# Altium PCB Evaluation Board.PcbDoc (part 12 of 22) (continued)
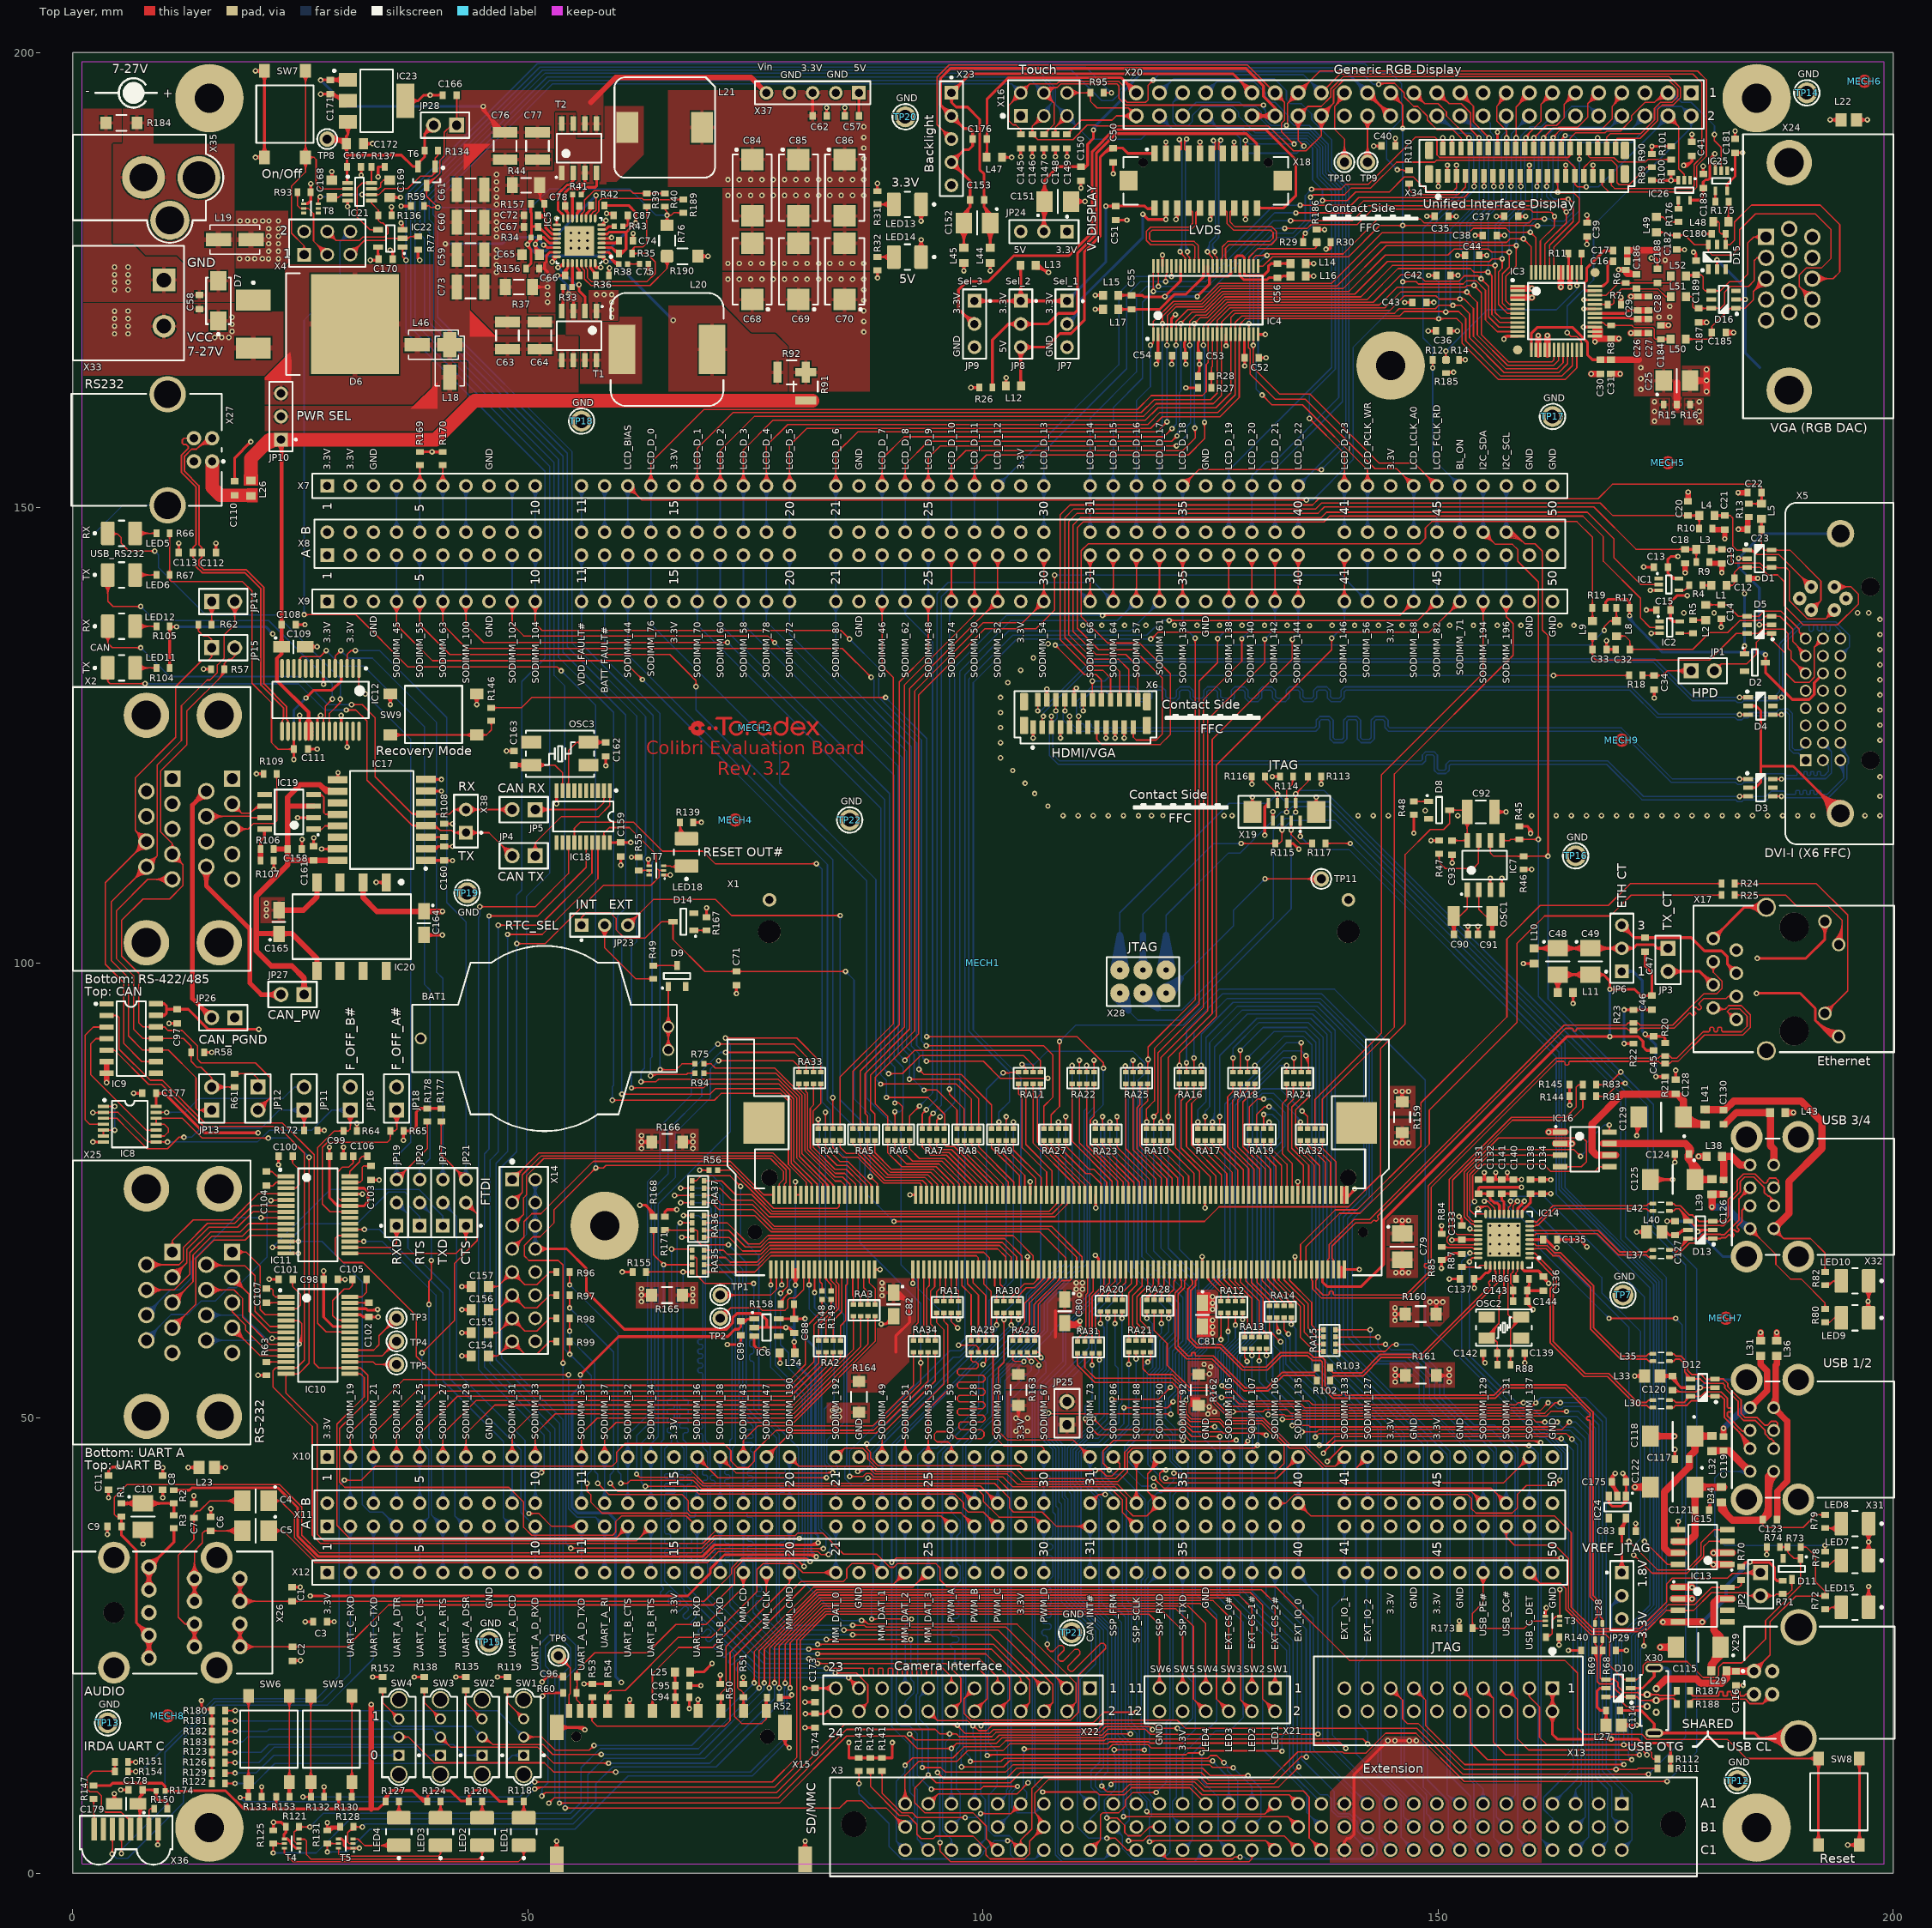
[diagram p0: Top Layer view]
## Nets (pads, with @x,y where several pads share a name; then routed paths per layer and width w, separated by ;. In a path a pad name is that pad's centre, name@x,y a point inside that pad or via, vN(x,y) a via of type N, cw(c..) or ccw(c..) an arc to the next point about the centre after c; other vN are vias at no path point) (continued)
MM_DAT_2: R52.1 X11.A24 X12.24 X15.9 | length 64.9
  Top Layer w0.15: X15.9@75.875,18.359 ccw(c75.15,19.084) 76.176,19.084 ccw(c77.202,19.084) X15.9@76.477,18.359 ; X15.9@75.982,18.252 ccw(c75.512,18.722) 76.176,18.722 ccw(c76.84,18.722) X15.9@76.37,18.252 ; X15.9@76.016,17.164 cw(c75.919,16.926) 76.176,16.926 ; R52.1@76.021,19.079 cw(c75.58,18.825) 76.071,18.693 ; 76.036,18.563 cw(c76.711,18.382) R52.1@76.362,18.987 ; R52.1@76.06,19.027 cw(c75.781,18.748) 76.176,18.748 ; R52.1@76.112,18.987 cw(c75.964,18.731) 76.25,18.808 ; X15.9@76.176,18.453 cw(c76.988,18.453) R52.1@76.414,19.027 ; 76.176,18.815 cw(c76.626,18.815) R52.1@76.308,19.133 ; R52.1@76.237,19.558 R52.1@76.237,19.304 76.176,19.243 76.176,16.926 ; 76.273,18.722 cw(c76.517,18.787) R52.1@76.376,18.996 ; X15.9@76.336,17.164 ccw(c76.433,16.926) 76.176,16.926 ; X12.24@90.765,33.02 cw(c89.135,33.02) 90.288,31.868 cw(c91.44,30.715) X12.24@91.44,32.345 ; X12.24@90.915,33.02 cw(c89.648,33.02) 90.544,32.124 cw(c91.44,31.228) X12.24@91.44,32.495 ; X12.24@91.065,33.02 cw(c90.16,33.02) 90.8,32.38 cw(c91.44,31.74) X12.24@91.44,32.645 ; X12.24@91.44,33.02 90.165,31.745 80.62,31.745 72.71,23.835 72.71,17.206 73.466,16.45 75.7,16.45 76.176,16.926
  Bottom Layer w0.15: X12.24@90.963,33.497 ccw(c89.81,34.65) 91.44,34.65 ccw(c93.07,34.65) X12.24@91.917,33.497 ; X11.A24@90.963,37.623 cw(c89.81,36.47) 91.44,36.47 cw(c93.07,36.47) X11.A24@91.917,37.623 ; X12.24@91.069,33.391 ccw(c90.173,34.287) 91.44,34.287 ccw(c92.707,34.287) X12.24@91.811,33.391 ; X11.A24@91.069,37.729 cw(c90.173,36.833) 91.44,36.833 cw(c92.707,36.833) X11.A24@91.811,37.729 ; X12.24@91.175,33.285 ccw(c90.535,33.925) 91.44,33.925 ccw(c92.345,33.925) X12.24@91.705,33.285 ; X11.A24@91.175,37.835 cw(c90.535,37.195) 91.44,37.195 cw(c92.345,37.195) X11.A24@91.705,37.835 ; X12.24@91.44,33.02 X11.A24@91.44,38.1
MM_DAT_3: R51.1 X11.A25 X12.25 X15.1 | length 58.3
  Top Layer w0.15: X15.1@73.375,18.359 ccw(c72.689,19.045) R51.1@73.66,19.045 ; X15.1@73.482,18.252 ccw(c73.051,18.683) 73.66,18.683 ; R51.1@73.483,19.164 cw(c73.056,18.737) 73.66,18.737 cw(c74.264,18.737) R51.1@73.837,19.164 ; R51.1@73.493,19.1 cw(c73.445,18.927) 73.619,18.883 ; R51.1@73.521,19.549 ccw(c73.345,19.81) 73.66,19.81 ; 73.66,18.761 ccw(c74.379,18.761) X15.1@73.87,18.252 ; R51.1@73.66,19.123 ccw(c74.741,19.123) X15.1@73.977,18.359 ; X15.1@73.676,17.808 73.66,17.824 R51.1@73.66,19.341 73.66,19.81 ; 73.689,19.013 cw(c73.885,19.065) R51.1@73.801,19.25 ; 73.735,18.842 cw(c73.959,18.902) R51.1@73.863,19.113 ; R51.1@73.799,19.549 cw(c73.975,19.81) 73.66,19.81 ; 92.642,31.791 cw(c93.98,30.453) X12.25@93.98,32.345 ; 92.899,32.047 cw(c93.98,30.966) X12.25@93.98,32.495 ; 92.904,32.053 ccw(c91.937,33.02) X12.25@93.305,33.02 ; 93.155,32.303 cw(c93.98,31.478) X12.25@93.98,32.645 ; 93.161,32.309 ccw(c92.45,33.02) X12.25@93.455,33.02 ; X12.25@93.98,33.02 93.871,33.02 92.296,31.445 81.395,31.445 73.01,23.06 73.01,20.373 73.258,20.125 73.345,20.125 73.66,19.81
  Bottom Layer w0.15: X12.25@93.503,33.497 ccw(c92.35,34.65) 93.98,34.65 ccw(c95.61,34.65) X12.25@94.457,33.497 ; X11.A25@93.503,37.623 cw(c92.35,36.47) 93.98,36.47 cw(c95.61,36.47) X11.A25@94.457,37.623 ; X12.25@93.609,33.391 ccw(c92.713,34.287) 93.98,34.287 ccw(c95.247,34.287) X12.25@94.351,33.391 ; X11.A25@93.609,37.729 cw(c92.713,36.833) 93.98,36.833 cw(c95.247,36.833) X11.A25@94.351,37.729 ; X12.25@93.715,33.285 ccw(c93.075,33.925) 93.98,33.925 ccw(c94.885,33.925) X12.25@94.245,33.285 ; X11.A25@93.715,37.835 cw(c93.075,37.195) 93.98,37.195 cw(c94.885,37.195) X11.A25@94.245,37.835 ; X12.25@93.98,33.02 X11.A25@93.98,38.1
NetBAT1_1: BAT1.1 D9.1 | length 22.6
  Top Layer w0.15: BAT1.1@65.009,90.831 ccw(c64.028,91.812) 65.416,91.812 ccw(c66.804,91.812) BAT1.1@65.823,90.831 ; BAT1.1@65.009,92.557 cw(c64.028,91.576) 65.416,91.576 cw(c66.804,91.576) BAT1.1@65.823,92.557 ; BAT1.1@65.009,93.371 ccw(c64.028,94.352) 65.416,94.352 ccw(c66.804,94.352) BAT1.1@65.823,93.371 ; BAT1.1@65.116,90.725 ccw(c64.39,91.45) 65.416,91.45 ccw(c66.442,91.45) BAT1.1@65.717,90.725 ; BAT1.1@65.116,92.663 cw(c64.39,91.938) 65.416,91.938 cw(c66.442,91.938) BAT1.1@65.717,92.663 ; BAT1.1@65.116,93.265 ccw(c64.39,93.99) 65.416,93.99 ccw(c66.442,93.99) BAT1.1@65.717,93.265 ; BAT1.1@65.222,90.618 ccw(c64.752,91.088) 65.416,91.088 ccw(c66.08,91.088) BAT1.1@65.61,90.618 ; BAT1.1@65.222,92.77 cw(c64.752,92.3) 65.416,92.3 cw(c66.08,92.3) BAT1.1@65.61,92.77 ; BAT1.1@65.222,93.158 ccw(c64.752,93.628) 65.416,93.628 ccw(c66.08,93.628) BAT1.1@65.61,93.158 ; D9.1@65.257,97.043 cw(c64.873,96.659) 65.416,96.659 cw(c65.959,96.659) D9.1@65.575,97.043 ; BAT1.1@65.416,90.17 65.416,92.71 D9.1@65.416,97.402
NetC10_1: C10.1 R1.1 R2.1 R3.1 | length 19.8
  Top Layer w0.3: R1.1@5.334,40.623 C10.1@7.699,40.623 R2.1@11.093,40.623 R3.1@11.093,39.333 ; R1.1@5.521,40.471 cw(c5.834,39.93) 5.996,40.534 ; R1.1@5.521,40.774 ccw(c5.834,41.316) 5.996,40.712 ; R1.1@5.558,40.499 cw(c5.856,40.2) 5.856,40.623 cw(c5.856,41.045) R1.1@5.558,40.747 ; C10.1@6.944,40.093 ccw(c5.663,38.812) 5.663,40.623 ccw(c5.663,42.434) C10.1@6.944,41.153 ; C10.1@7.156,40.305 ccw(c6.388,39.536) 6.388,40.623 ccw(c6.388,41.709) C10.1@7.156,40.941 ; C10.1@8.242,40.305 cw(c9.01,39.536) 9.01,40.623 cw(c9.01,41.709) C10.1@8.242,40.941 ; C10.1@8.454,40.093 cw(c9.735,38.812) 9.735,40.623 cw(c9.735,42.434) C10.1@8.454,41.153 ; R2.1@10.869,40.499 ccw(c10.571,40.2) 10.571,40.623 ccw(c10.571,41.045) R2.1@10.869,40.747 ; R3.1@10.969,39.457 ccw(c10.671,39.756) 11.093,39.756 ccw(c11.516,39.756) R3.1@11.217,39.457 ; R2.1@10.969,40.499 cw(c10.671,40.2) 11.093,40.2 cw(c11.516,40.2) R2.1@11.217,40.499
NetC16_2: C16.2 IC3.36 | length 6.2
  Top Layer w0.3: IC3.36@167.231,174.342 168.117,174.342 168.625,174.85 168.625,176.825 ; IC3.36@167.881,174.342 ccw(c167.881,174.911) 168.284,174.509 ; 168.843,177.044 cw(c169.07,176.817) C16.2@169.29,177.05 ; C16.2@169.054,176.943 ccw(c168.852,176.811) 168.852,177.052 ; C16.2@169.054,177.162 cw(c168.852,177.294) 168.852,177.052 ; C16.2@169.084,176.832 ccw(c168.858,176.592) 168.625,176.825 ; C16.2@169.197,177.052 168.852,177.052 ; 168.625,176.825 168.852,177.052
NetC17_2: C17.2 IC3.35 | length 8.1
  Top Layer w0.3: IC3.35@167.231,173.842 166.239,173.842 166.081,174 166.081,174.718 166.325,174.961 166.325,176.348 168.213,178.236 C17.2@169.197,178.236 ; C17.2@169.08,178.095 ccw(c168.739,177.753) 168.739,178.236 ccw(c168.739,178.719) C17.2@169.08,178.378
NetC45_2: C45.2 JP6.1 R20.1 R21.2 | length 25.5
  Top Layer w0.3: v1@172.637,92.073 ccw(c172.958,92.38) 172.958,91.936 ; v1(172.745,92.177) 172.986,91.936 ; v1@172.752,92.027 cw(c172.766,91.715) 172.986,91.936 ; v1@172.895,92.17 ccw(c173.207,92.156) 172.986,91.936 ; C45.2@173.443,91.794 ccw(c173.102,91.453) 173.102,91.936 ccw(c173.102,92.418) C45.2@173.443,92.077 ; C45.2@173.876,91.794 cw(c174.218,91.453) 174.218,91.936 cw(c174.218,92.418) C45.2@173.876,92.077 ; v1(173.914,87.503) 173.915,87.505 R21.2@174.928,87.505 ; v1@174.02,87.397 cw(c174.28,87.137) 174.28,87.505 ; v1@174.02,87.609 ccw(c174.272,87.861) 174.272,87.505 ; R21.2@174.704,87.381 ccw(c174.406,87.082) 174.406,87.505 ccw(c174.406,87.927) R21.2@174.704,87.628 ; R20.1@174.804,91.339 ccw(c174.506,91.638) 174.928,91.638 ccw(c175.351,91.638) R20.1@175.052,91.339 ; R20.1@174.928,91.215 174.928,91.721 174.714,91.936 C45.2@173.66,91.936 172.986,91.936
  Bottom Layer w0.3: JP6.1@170.18,99.06 171.425,99.06 ; JP6.1@170.649,98.686 cw(c171.425,98.069) 171.425,99.06 ; JP6.1@170.649,99.434 ccw(c171.425,100.051) 171.425,99.06 ; v1@172.595,92.177 ccw(c172.233,92.177) 172.489,92.433 ccw(c172.745,92.689) v1@172.745,92.327 ; v1@172.745,92.027 cw(c172.745,91.664) 173.001,91.921 cw(c173.258,92.177) v1@172.895,92.177 ; v1@173.808,87.609 ccw(c173.552,87.865) 173.914,87.865 ccw(c174.276,87.865) v1@174.02,87.609 ; v1(173.914,87.503) 173.914,91.008 v1(172.745,92.177) 172.415,92.507 172.415,98.069 171.425,99.06
NetC46_2: C46.2 R22.1 R23.2 | length 12.8
  Top Layer w0.15: v1(170.434,91.135) v1@170.436,91.137 ; v1(170.434,94.846) v1@170.436,94.847
  Top Layer w0.3: v1@170.436,91.137 R22.1@171.45,91.137 R22.1@171.475,91.137 ; v1@170.436,94.847 C46.2@173.444,94.847 ; v1@170.54,91.029 cw(c170.8,90.769) 170.8,91.137 ; v1@170.54,91.241 ccw(c170.792,91.493) 170.792,91.137 ; v1@170.54,94.74 cw(c170.8,94.48) 170.8,94.847 ; v1@170.54,94.952 ccw(c170.792,95.204) 170.792,94.847 ; R22.1@171.226,91.013 ccw(c170.928,90.714) 170.928,91.137 ccw(c170.928,91.559) R22.1@171.226,91.261 ; R23.2@171.226,94.724 ccw(c170.928,94.425) 170.928,94.847 ccw(c170.928,95.27) R23.2@171.226,94.971 ; R23.2@171.674,94.724 cw(c171.972,94.425) 171.972,94.847 cw(c171.972,95.27) R23.2@171.674,94.971 ; C46.2@173.253,94.706 ccw(c172.911,94.365) 172.911,94.847 ccw(c172.911,95.33) C46.2@173.253,94.989
  Bottom Layer w0.3: v1@170.328,91.241 ccw(c170.072,91.497) 170.434,91.497 ccw(c170.796,91.497) v1@170.54,91.241 ; v1@170.328,94.74 cw(c170.072,94.484) 170.434,94.484 cw(c170.796,94.484) v1@170.54,94.74 ; v1(170.434,91.135) v1(170.434,94.846)
NetC66_1: C66.1 IC5.26 L20.1 T1.3 T1.7 T1.8 | length 12.4
  Top Layer w0.3: v1(53.238,175.514) C66.1@54.089,175.514 54.089,176.06 ; C66.1@53.948,175.373 ccw(c53.606,175.031) 53.606,175.514 ccw(c53.606,175.997) C66.1@53.948,175.655 ; C66.1@53.95,175.733 ccw(c53.635,176.06) 54.089,176.06 ; C66.1@54,175.544 cw(c54.393,175.741) 54.082,176.053 ; 54.215,176.186 ccw(c53.827,176.574) IC5.26@54.376,176.574 ; C66.1@54.228,175.733 cw(c54.543,176.06) 54.089,176.06 ; C66.1@54.268,175.679 cw(c54.785,175.938) 54.376,176.347 ; IC5.26@54.376,176.874 54.376,176.347 ; v1@54.458,173.307 cw(c54.458,172.944) 54.714,173.201 cw(c54.97,173.457) v1@54.608,173.457 ; v1(54.458,173.457) 54.991,172.923 T1.3@54.991,171.61 ; T1.3@54.885,172.216 ccw(c54.629,172.472) 54.991,172.472 ccw(c55.353,172.472) T1.3@55.097,172.216 ; 54.089,176.06 54.376,176.347
  Bottom Layer w0.3: v1@53.238,175.364 cw(c53.238,175.002) 53.494,175.258 cw(c53.751,175.514) v1@53.388,175.514 ; v1(53.238,175.514) 54.458,174.295 v1(54.458,173.457) ; v1@54.352,173.563 ccw(c54.095,173.819) 54.458,173.819 ccw(c54.82,173.819) v1@54.564,173.563
NetC66_2: C66.2 IC5.28 | length 2.6
  Top Layer w0.3: IC5.28@55.376,176.574 ccw(c55.86,176.574) 55.518,176.232 ; IC5.28@55.376,176.874 55.376,176.374 55.639,176.111 C66.2@55.639,175.514 ; C66.2@55.498,175.73 ccw(c55.156,176.072) 55.639,176.072 ccw(c56.122,176.072) C66.2@55.78,175.73
NetC75_2: C75.2 R38.1 | length 2.9
  Top Layer w0.15: R38.1@60.932,176.784 C75.2@62.248,176.784 ; R38.1@61.081,176.636 cw(c61.439,176.277) 61.439,176.784 cw(c61.439,177.291) R38.1@61.081,176.932 ; C75.2@62.096,176.632 ccw(c61.729,176.265) 61.729,176.784 ccw(c61.729,177.303) C75.2@62.096,176.936
NetC78_1: C78.1 IC5.15 L21.1 T2.3 T2.7 T2.8 | length 8.6
  Top Layer w0.3: C78.1@53.948,183.35 ccw(c53.606,183.692) 54.089,183.692 ccw(c54.572,183.692) C78.1@54.23,183.35 ; C78.1@54.272,182.979 ccw(c54.727,182.78) 54.376,182.428 ; IC5.15@54.376,181.774 54.376,182.428 ; T2.3@56.155,186.178 cw(c55.899,185.922) 56.261,185.922 cw(c56.623,185.922) T2.3@56.367,186.178 ; T2.3@56.261,186.784 56.261,185.699 55.576,185.014 54.483,185.014 54.089,184.62 C78.1@54.089,183.134 54.089,182.715 54.376,182.428
NetC78_2: C78.2 IC5.13 | length 3.8
  Top Layer w0.3: IC5.13@55.376,181.774 55.376,182.351 ; IC5.13@55.376,182.074 cw(c56.044,182.074) 55.572,182.546 ; C78.2@55.464,182.963 cw(c55.011,182.715) 55.376,182.351 ; C78.2@55.506,182.91 cw(c55.243,182.614) 55.639,182.614 ; C78.2@55.639,183.134 55.639,182.614 ; 55.659,182.634 ccw(c55.377,182.915) C78.2@55.727,183.107 ; C78.2@55.772,182.91 ccw(c56.035,182.614) 55.639,182.614 ; 55.376,182.351 55.639,182.614
NetC87_2: C87.2 R43.1 | length 3
  Top Layer w0.15: R43.1@60.424,180.876 R43.1@60.424,180.9
  Top Layer w0.3: R43.1@60.424,180.876 R43.1@60.427,180.873 ; R43.1@60.494,181.04 ccw(c60.697,181.374) 60.973,181.098 ; R43.1@60.522,180.832 cw(c60.847,180.524) 60.847,180.972 ; R43.1@60.678,180.972 60.847,180.972 ; C87.2@60.832,181.881 cw(c60.49,181.539) 60.973,181.539 cw(c61.456,181.539) C87.2@61.114,181.881 ; C87.2@60.973,182.097 60.973,181.098 ; 60.847,180.972 60.973,181.098
NetC90_1: C90.1 IC7.1 OSC1.2 | length 15.7
  Top Layer w0.15: OSC1.2@151.316,104.292 cw(c150.334,103.31) 151.722,103.31 cw(c153.111,103.31) OSC1.2@152.129,104.292 ; OSC1.2@151.422,104.398 cw(c150.696,103.672) 151.722,103.672 cw(c152.748,103.672) OSC1.2@152.023,104.398 ; C90.1@151.486,103.332 ccw(c150.83,103.723) 151.57,103.91 ; C90.1@151.528,103.386 ccw(c151.058,103.855) 151.722,103.855 ccw(c152.386,103.855) C90.1@151.917,103.386 ; OSC1.2@151.528,104.504 cw(c151.058,104.034) 151.722,104.034 cw(c152.386,104.034) OSC1.2@151.917,104.504 ; C90.1@151.582,103.428 ccw(c151.293,103.912) 151.84,103.774 ; 151.605,103.774 ccw(c152.152,103.912) C90.1@151.863,103.428 ; C90.1@151.615,103.255 ccw(c151.27,103.461) 151.659,103.559 ; C90.1@151.722,103.116 OSC1.2@151.722,105.148 152.392,105.148 ; 151.786,103.559 ccw(c152.175,103.461) C90.1@151.83,103.255 ; 151.874,103.91 ccw(c152.615,103.723) C90.1@151.959,103.332 ; OSC1.2@152.291,105.061 cw(c152.392,105.046) 152.392,105.148 ; OSC1.2@152.291,105.236 ccw(c152.392,105.251) 152.392,105.148 ; IC7.1@153.028,107.377 cw(c152.644,106.993) 153.187,106.993 cw(c153.731,106.993) IC7.1@153.346,107.377 ; IC7.1@153.187,108.036 153.187,105.943 152.392,105.148
NetC91_1: C91.1 IC7.2 OSC1.1 | length 15.8
  Top Layer w0.15: IC7.2@154.298,107.377 cw(c153.914,106.993) 154.457,106.993 cw(c155.001,106.993) IC7.2@154.616,107.377 ; IC7.2@154.457,108.036 154.457,105.893 155.202,105.148 ; OSC1.1@155.362,105.021 ccw(c155.202,104.984) 155.202,105.148 ; OSC1.1@155.362,105.276 cw(c155.202,105.313) 155.202,105.148 ; OSC1.1@155.516,104.292 cw(c154.534,103.31) 155.922,103.31 cw(c157.311,103.31) OSC1.1@156.329,104.292 ; OSC1.1@155.622,104.398 cw(c154.896,103.672) 155.922,103.672 cw(c156.948,103.672) OSC1.1@156.223,104.398 ; C91.1@155.686,103.332 ccw(c155.03,103.723) 155.77,103.91 ; C91.1@155.728,103.386 ccw(c155.259,103.855) 155.922,103.855 ccw(c156.586,103.855) C91.1@156.117,103.386 ; OSC1.1@155.728,104.504 cw(c155.259,104.034) 155.922,104.034 cw(c156.586,104.034) OSC1.1@156.117,104.504 ; C91.1@155.782,103.428 ccw(c155.493,103.912) 156.04,103.774 ; 155.805,103.774 ccw(c156.352,103.912) C91.1@156.063,103.428 ; C91.1@155.815,103.255 ccw(c155.47,103.461) 155.859,103.559 ; C91.1@155.922,103.116 OSC1.1@155.922,105.148 155.202,105.148 ; 155.986,103.559 ccw(c156.375,103.461) C91.1@156.03,103.255 ; 156.075,103.91 ccw(c156.815,103.723) C91.1@156.159,103.332
NetC100_1: C100.1 IC11.3 | length 6.6
  Top Layer w0.15: IC11.3@23.419,75.266 23.423,75.262 24.481,75.262 ; C100.1@23.947,78.467 cw(c23.513,78.017) 24.138,78.017 ; C100.1@24.138,78.853 24.138,78.017 ; IC11.3@24.225,75.351 ccw(c24.44,75.566) 24.44,75.262 ; IC11.3@24.233,75.148 cw(c24.481,74.937) 24.481,75.262 ; C100.1@24.329,78.467 ccw(c24.763,78.017) 24.138,78.017 ; 24.138,78.017 24.862,77.294 24.862,75.643 24.481,75.262
NetC101_1: C101.1 IC10.3 | length 6.5
  Top Layer w0.15: IC10.3@23.419,62.006 24.606,62.006 24.989,62.389 24.989,63.611 24.138,64.462 C101.1@24.138,65.243 ; C101.1@23.943,64.973 cw(c23.474,64.504) 24.138,64.504 cw(c24.802,64.504) C101.1@24.332,64.973 ; IC10.3@24.225,61.9 cw(c24.481,61.644) 24.481,62.006 cw(c24.481,62.368) IC10.3@24.225,62.112
NetC102_2: C102.2 IC10.27 | length 4
  Top Layer w0.15: IC10.27@30.419,62.656 32.755,62.656 C102.2@32.761,62.65 ; IC10.27@31.225,62.55 cw(c31.481,62.294) 31.481,62.656 cw(c31.481,63.018) IC10.27@31.225,62.762 ; 31.754,62.656 cw(c31.754,61.972) C102.2@32.237,62.455 ; 31.782,62.656 ccw(c31.782,63.299) C102.2@32.237,62.844
NetC103_2: C103.2 IC11.27 | length 5.5
  Top Layer w0.15: IC11.27@30.419,75.895 31.545,75.895 31.775,76.125 31.775,77.527 31.936,77.688 C103.2@32.761,77.688 ; IC11.27@31.225,75.789 cw(c31.481,75.533) 31.481,75.895 cw(c31.481,76.257) IC11.27@31.225,76.001 ; C103.2@32.491,77.493 ccw(c32.022,77.024) 32.022,77.688 ccw(c32.022,78.352) C103.2@32.491,77.882
NetC104_1: C104.1 IC11.2 | length 3.8
  Top Layer w0.15: C104.1@21.248,75.499 21.949,75.499 ; C104.1@21.517,75.329 cw(c21.926,74.92) 21.926,75.499 ; C104.1@21.537,75.696 ccw(c21.949,76.026) 21.949,75.499 ; 22.407,75.916 ccw(c22.407,76.207) IC11.2@22.613,76.001 ; IC11.2@22.601,75.802 ccw(c22.366,75.615) 22.366,75.916 ; IC11.2@23.419,75.916 22.366,75.916 ; 21.949,75.499 22.366,75.916
NetC104_2: C104.2 IC11.1 | length 3.7
  Top Layer w0.15: C104.2@21.248,77.074 21.901,77.074 ; C104.2@21.536,76.9 cw(c21.901,76.603) 21.901,77.074 ; C104.2@21.536,77.247 ccw(c21.901,77.544) 21.901,77.074 ; IC11.1@22.592,76.465 ccw(c22.409,76.35) 22.409,76.566 ; IC11.1@22.612,76.65 cw(c22.409,76.852) 22.409,76.566 ; IC11.1@23.419,76.566 22.409,76.566 ; 21.901,77.074 22.409,76.566
NetC105_1: C105.1 IC10.24 | length 8.7
  Top Layer w0.15: 29.171,60.783 cw(c29.171,60.158) IC10.24@29.613,60.6 ; IC10.24@30.419,60.706 30.342,60.783 29.027,60.783 28.545,61.265 28.545,62.9 29.82,64.175 30.35,64.175 30.716,64.541 ; C105.1@30.53,64.966 cw(c30.139,64.541) 30.716,64.541 ; C105.1@30.716,65.243 30.716,64.541 ; C105.1@30.902,64.966 ccw(c31.293,64.541) 30.716,64.541
NetC105_2: C105.2 IC10.28 | length 5.1
  Top Layer w0.15: IC10.28@30.45,63.336 IC10.28@30.419,63.306 31.756,63.306 32.266,63.816 C105.2@32.266,65.243 ; IC10.28@31.225,63.2 cw(c31.481,62.944) 31.481,63.306 cw(c31.481,63.668) IC10.28@31.225,63.412 ; C105.2@32.071,64.973 cw(c31.602,64.504) 32.266,64.504 cw(c32.93,64.504) C105.2@32.46,64.973
NetC106_1: C106.1 IC11.24 | length 8.9
  Top Layer w0.15: IC11.24@29.613,73.839 ccw(c29.357,73.583) 29.357,73.945 ccw(c29.357,74.307) IC11.24@29.613,74.051 ; IC11.24@30.419,73.945 29.355,73.945 29.1,74.2 29.1,77.05 29.6,77.55 30.3,77.55 30.792,78.042 ; C106.1@30.607,78.462 cw(c30.224,78.042) 30.792,78.042 ; C106.1@30.792,78.467 C106.1@30.792,78.74 30.792,78.042 ; C106.1@30.977,78.462 ccw(c31.36,78.042) 30.792,78.042
NetC106_2: C106.2 IC11.28 | length 4.6
  Top Layer w0.15: IC11.28@30.313,76.651 ccw(c30.057,76.907) 30.419,76.907 ccw(c30.781,76.907) IC11.28@30.525,76.651 ; IC11.28@30.419,76.566 30.419,77.094 31.5,78.175 31.5,78.45 31.79,78.74 ; C106.2@32.122,78.574 ccw(c31.79,78.324) 31.79,78.74 ; C106.2@32.122,78.906 cw(c31.79,79.156) 31.79,78.74 ; C106.2@32.342,78.74 31.79,78.74
NetC107_1: C107.1 IC10.2 | length 3.8
  Top Layer w0.15: C107.1@21.248,62.656 IC10.2@23.419,62.656 ; C107.1@21.517,62.461 cw(c21.987,61.992) 21.987,62.656 cw(c21.987,63.32) C107.1@21.517,62.85 ; IC10.2@22.613,62.55 ccw(c22.357,62.294) 22.357,62.656 ccw(c22.357,63.018) IC10.2@22.613,62.762
NetC107_2: C107.2 IC10.1 | length 4
  Top Layer w0.15: C107.2@21.248,64.206 21.819,64.206 ; C107.2@21.556,64.06 cw(c21.819,63.896) 21.819,64.206 ; C107.2@21.556,64.352 ccw(c21.819,64.516) 21.819,64.206 ; IC10.1@22.613,63.2 ccw(c22.357,62.944) 22.357,63.306 ccw(c22.357,63.668) IC10.1@22.613,63.412 ; IC10.1@23.419,63.306 22.244,63.306 21.975,63.575 21.975,64.05 21.819,64.206
NetC110_2: C110.2 L26.1 X27.1 | length 7.5
  Top Layer w1.5: X27.1@15.3,155.092 15.3,152.232 16.167,151.365 L26.1@19.558,151.365
NetC115_1: C115.1 IC13.7 L29.1 | length 14.9
  Top Layer w0.8: L29.1@180.008,22.15 180.008,22.858 ; L29.1@180.043,22.309 cw(c181.574,22.309) 180.491,23.391 ; C115.1@180.518,24.488 cw(c178.719,24.197) 180.008,22.908 C115.1@181.012,23.912 ; C115.1@180.552,25.265 ccw(c179.352,25.777) 180.275,26.7 ; C115.1@181.012,24.012 C115.1@181.012,24.818 ; C115.1@181.012,24.668 181.012,25.963 180.275,26.7 ; IC13.7@182.3,30.129 180.729,30.129 180.275,29.675 180.275,26.7
NetC117_2: C117.2 C118.1 IC15.7 L32.1 | length 21.6
  Top Layer w0.8: IC15.7@176.925,35.2 175.375,35.2 174.85,35.725 174.85,41.882 177.6,44.632 177.6,45.757 178.218,46.375 C118.1@178.218,48.006 L32.1@180.086,48.006 ; C118.1@177.864,47.402 cw(c177.011,46.549) 178.218,46.549 cw(c179.425,46.549) C118.1@178.572,47.402 ; C118.1@178.572,47.652 cw(c179.425,46.799) 179.425,48.006 cw(c179.425,49.213) C118.1@178.572,48.36
NetC121_2: C121.2 C122.1 IC15.6 L34.1 | length 14.9
  Top Layer w0.8: IC15.6@175.9,36.425 177.525,36.425 178.218,37.118 178.218,39.902 C122.1@178.218,42.418 L34.1@181.377,42.418 ; C122.1@177.864,41.814 cw(c177.011,40.961) 178.218,40.961 cw(c179.425,40.961) C122.1@178.572,41.814 ; C122.1@178.572,42.064 cw(c179.425,41.211) 179.425,42.418 cw(c179.425,43.625) C122.1@178.572,42.772
NetC124_2: C124.2 C125.1 IC16.7 L39.1 | length 25.8
  Top Layer w0.8: IC16.7@168.148,80.137 177.19,80.137 ; C124.2@177.509,78.919 ccw(c178.649,78.919) 177.843,78.113 ; C124.2@177.518,78.947 ccw(c177.885,78.698) 177.571,78.384 ; C124.2@177.597,79.036 ccw(c177.198,79.383) 177.571,79.756 ; C124.2@177.609,79.067 ccw(c176.177,79.124) 177.19,80.137 ; C125.1@177.787,76.703 ccw(c176.592,77.404) 177.571,78.384 ; C125.1@177.864,76.804 ccw(c177.011,77.657) 178.218,77.657 ccw(c179.425,77.657) C125.1@178.572,76.804 ; 178.303,77.653 cw(c177.514,76.863) C125.1@178.477,76.298 ; C125.1@178.572,75.846 cw(c179.425,74.993) 179.425,76.2 cw(c179.425,77.407) C125.1@178.572,76.554 ; L39.1@180.086,76.2 C125.1@178.218,76.2 178.218,77.738 177.571,78.384 ; 177.19,80.137 177.571,79.756 ; 177.571,78.384 177.571,79.756
NetC128_2: C128.2 C129.1 IC16.6 L41.1 | length 26.1
  Top Layer w0.8: IC16.6@169.484,78.867 167.411,78.867 166.929,79.35 166.929,82.304 170.21,85.585 176.264,85.585 176.948,84.901 C129.1@176.948,83.173 ; C129.1@176.428,82.258 179.324,82.258 cw(c179.324,84.971) C129.1@177.318,83.145 ; C129.1@176.594,83.662 ccw(c175.741,84.515) 176.948,84.515 ccw(c178.155,84.515) C129.1@177.302,83.662
NetC140_2: C140.2 C141.2 IC14.14 | length 5.9
  Top Layer w0.15: IC14.14@157.226,72.421 IC14.14@157.227,72.42
  Top Layer w0.3: C141.2@156.832,74.509 cw(c156.49,74.168) 156.973,74.168 cw(c157.456,74.168) C141.2@157.115,74.509 ; C141.2@157.19,74.509 cw(c157.531,74.168) 157.531,74.651 cw(c157.531,75.133) C141.2@157.19,74.792 ; IC14.14@157.226,72.421 157.226,73.736 156.973,73.989 C141.2@156.973,74.651 C140.2@158.243,74.651 ; C140.2@158.027,74.509 ccw(c157.685,74.168) 157.685,74.651 ccw(c157.685,75.133) C140.2@158.027,74.792
NetC143_2: C143.2 C144.2 IC14.34 | length 8.3
  Top Layer w0.15: C144.2@158.036,63.103 ccw(c157.566,63.572) 158.23,63.572 ccw(c158.894,63.572) C144.2@158.425,63.103 ; C143.2@158.036,63.726 cw(c157.566,63.257) 158.23,63.257 cw(c158.894,63.257) C143.2@158.425,63.726 ; C143.2@158.072,63.696 cw(c157.908,63.465) 158.182,63.391 ; C143.2@158.093,63.682 cw(c157.915,63.374) 158.259,63.466 ; C143.2@158.105,64.315 ccw(c158.001,64.52) 158.23,64.52 ; IC14.34@158.174,66.392 cw(c158.046,66.264) 158.227,66.264 cw(c158.408,66.264) IC14.34@158.28,66.392 ; 158.202,63.466 cw(c158.546,63.374) C143.2@158.368,63.682 ; IC14.34@158.227,66.77 158.227,66.052 157.975,65.8 157.975,64.757 158.116,64.616 158.134,64.616 158.23,64.52 ; C144.2@158.23,62.834 C143.2@158.23,63.996 158.23,64.52 ; 158.279,63.391 cw(c158.553,63.465) C143.2@158.389,63.696 ; C143.2@158.355,64.315 cw(c158.46,64.52) 158.23,64.52
NetC162_2: C162.2 IC18.8 OSC3.1 | length 19.1
  Top Layer w0.15: IC18.8@54.335,119.609 ccw(c54.079,119.865) 54.441,119.865 ccw(c54.803,119.865) IC18.8@54.547,119.609 ; IC18.8@54.441,118.928 54.441,123.335 55.333,124.227 ; OSC3.1@56.652,124.227 55.333,124.227 ; OSC3.1@57.282,123.997 cw(c57.837,123.443) 57.837,124.227 cw(c57.837,125.012) OSC3.1@57.282,124.457 ; OSC3.1@57.388,123.891 cw(c58.199,123.08) 58.199,124.227 cw(c58.199,125.374) OSC3.1@57.388,124.563 ; OSC3.1@57.494,123.785 cw(c58.561,122.718) 58.561,124.227 cw(c58.561,125.736) OSC3.1@57.494,124.669 ; 57.796,124.227 ccw(c57.796,124.911) C162.2@58.28,124.428 ; 57.824,124.227 cw(c57.824,123.583) C162.2@58.28,124.039 ; C162.2@58.676,124.227 55.333,124.227 ; 55.333,124.227 ccw(c55.333,124.591) 55.671,124.457 cw(c55.333,124.591) 55.333,124.227 ; 55.333,124.227 cw(c55.333,123.864) 55.671,123.997 ccw(c55.333,123.864) 55.333,124.227
NetC163_2: C163.2 IC18.9 OSC3.2 | length 24.3
  Top Layer w0.15: C163.2@48.624,121.633 cw(c48.841,121.381) 48.919,121.704 ; C163.2@48.624,121.822 ccw(c48.841,122.073) 48.919,121.75 ; C163.2@48.68,121.489 cw(c48.979,120.971) 49.133,121.549 ; C163.2@48.68,121.965 ccw(c48.979,122.483) 49.133,121.906 ; C163.2@48.722,121.519 cw(c49.075,121.11) 49.203,121.636 ; C163.2@48.722,121.935 ccw(c49.075,122.344) 49.203,121.819 ; C163.2@48.737,121.533 cw(c49.206,121.063) 49.206,121.727 cw(c49.206,122.391) C163.2@48.737,121.922 ; C163.2@48.777,121.584 cw(c49.151,121.356) 49.048,121.781 ; C163.2@48.777,121.87 ccw(c49.151,122.099) 49.048,121.673 ; C163.2@48.78,121.59 cw(c49.413,121.225) 49.224,121.93 ; C163.2@48.78,121.865 ccw(c49.413,122.23) 49.224,121.525 ; OSC3.2@49.505,121.29 ccw(c48.467,120.276) C163.2@48.467,121.727 ; OSC3.2@49.505,122.164 cw(c48.467,123.178) C163.2@48.467,121.727 ; OSC3.2@49.612,121.395 ccw(c48.824,120.624) 48.824,121.727 ccw(c48.824,122.83) OSC3.2@49.612,122.059 ; OSC3.2@49.72,121.5 ccw(c49.18,120.973) 49.18,121.727 ccw(c49.18,122.482) OSC3.2@49.72,121.954 ; OSC3.2@50.982,121.497 cw(c51.537,120.943) 51.537,121.727 cw(c51.537,122.512) OSC3.2@50.982,121.957 ; OSC3.2@51.088,121.391 cw(c51.899,120.58) 51.899,121.727 cw(c51.899,122.874) OSC3.2@51.088,122.063 ; OSC3.2@51.194,121.285 cw(c52.261,120.218) 52.261,121.727 cw(c52.261,123.236) OSC3.2@51.194,122.169 ; IC18.9@53.685,119.609 ccw(c53.429,119.865) 53.791,119.865 ccw(c54.153,119.865) IC18.9@53.897,119.609 ; IC18.9@53.791,118.928 53.791,120.885 52.949,121.727 OSC3.2@50.352,121.727 C163.2@48.467,121.727
NetC168_2: C168.2 IC21.3 | length 2.9
  Top Layer w0.15: C168.2@28.448,184.084 29.147,184.084 ; C168.2@28.949,183.944 cw(c29.147,183.875) 29.147,184.084 ; C168.2@28.949,184.224 ccw(c29.147,184.293) 29.147,184.084 ; IC21.3@29.688,184.295 ccw(c29.474,184.082) 29.474,184.384 ccw(c29.474,184.686) IC21.3@29.688,184.472 ; IC21.3@30.186,184.384 29.447,184.384 29.147,184.084
NetC169_2: C169.2 IC21.7 | length 3.6
  Top Layer w0.15: IC21.7@32.806,185.034 33.584,185.034 33.807,185.257 33.807,185.679 34.112,185.984 ; IC21.7@33.304,184.945 cw(c33.518,184.732) 33.518,185.034 cw(c33.518,185.336) IC21.7@33.304,185.122 ; C169.2@34.294,185.852 ccw(c34.112,185.793) 34.112,185.984 ; C169.2@34.294,186.116 cw(c34.112,186.175) 34.112,185.984 ; C169.2@34.798,185.984 34.112,185.984
NetC178_2: C178.2 C179.1 R150.1 R174.2 X36.6 | length 16.3
  Top Layer w0.3: C179.1@7.081,7.284 cw(c6.451,6.654) 7.342,6.654 ; C179.1@7.158,8.018 ccw(c6.936,8.358) 7.342,8.358 ; X36.6@7.236,5.882 ccw(c6.98,6.138) 7.342,6.138 ccw(c7.704,6.138) X36.6@7.448,5.882 ; X36.6@7.342,4.826 7.342,8.358 ; 7.342,6.292 cw(c8.745,6.292) C179.1@7.753,7.284 ; C178.2@7.459,8.988 cw(c6.942,8.758) 7.342,8.358 ; C178.2@7.519,8.912 cw(c7.32,8.658) 7.642,8.658 ; C179.1@7.553,8.075 cw(c7.637,8.358) 7.342,8.358 ; 7.651,8.667 ccw(c7.37,8.948) C178.2@7.733,9.11 ; C178.2@7.765,8.912 ccw(c7.964,8.658) 7.642,8.658 ; C178.2@7.783,9.003 cw(c8.125,8.661) 8.125,9.144 cw(c8.125,9.627) C178.2@7.783,9.285 ; 8.597,9.144 cw(c8.597,8.477) R174.2@9.069,8.949 ; R174.2@9.069,8.899 cw(c8.838,8.668) 9.164,8.668 cw(c9.49,8.668) R174.2@9.259,8.899 ; R150.1@10.253,7.311 ccw(c9.955,7.609) 10.377,7.609 ccw(c10.799,7.609) R150.1@10.501,7.311 ; R150.1@10.377,7.087 10.377,7.748 10.175,7.95 9.4,7.95 9.164,8.186 R174.2@9.164,9.019 9.039,9.144 C178.2@7.642,9.144 7.642,8.658 ; 7.342,8.358 7.642,8.658
NetD6_2: D6.2 JP10.3 L46.1
NetD8_1: D8.1 R48.1 | length 3.4
  Top Layer w0.15: R48.1@147.32,117.732 D8.1@148.964,117.732 ; R48.1@147.597,117.555 cw(c148.024,117.128) 148.024,117.732 cw(c148.024,118.335) R48.1@147.597,117.908 ; D8.1@148.605,117.572 ccw(c148.221,117.188) 148.221,117.732 ccw(c148.221,118.275) D8.1@148.605,117.891
NetD9_3: D9.3 R49.1 | length 4.4
  Top Layer w0.15: R49.1@63.754,99.702 D9.3@66.366,99.702 ; R49.1@64.031,99.525 cw(c64.458,99.098) 64.458,99.702 cw(c64.458,100.306) R49.1@64.031,99.879 ; D9.3@66.207,99.543 ccw(c65.823,99.159) 65.823,99.702 ccw(c65.823,100.245) D9.3@66.207,99.861
NetD14_1: D14.1 R167.2 | length 3.2
  Top Layer w0.15: D14.1@68.231,103.571 R167.2@69.621,103.571 ; D14.1@68.591,103.412 cw(c68.975,103.028) 68.975,103.571 cw(c68.975,104.114) D14.1@68.591,103.73 ; R167.2@69.345,103.394 ccw(c68.918,102.967) 68.918,103.571 ccw(c68.918,104.175) R167.2@69.345,103.748
NetIC1_4: IC1.4 R4.1 | length 3.1
  Top Layer w0.15: IC1.4@176.434,140.92 177.025,140.92 ; IC1.4@176.797,140.831 cw(c177.011,140.618) 177.011,140.92 cw(c177.011,141.221) IC1.4@176.797,141.008 ; 177.227,141.122 ccw(c176.971,141.378) R4.1@177.333,141.378 ; R4.1@177.262,141.157 cw(c177.555,140.864) R4.1@177.578,141.278 ; R4.1@177.57,141.128 ccw(c177.531,140.413) 177.025,140.92 ; R4.1@177.583,141.478 177.025,140.92